# KiCad board corne-cherry.kicad_pcb (continued)
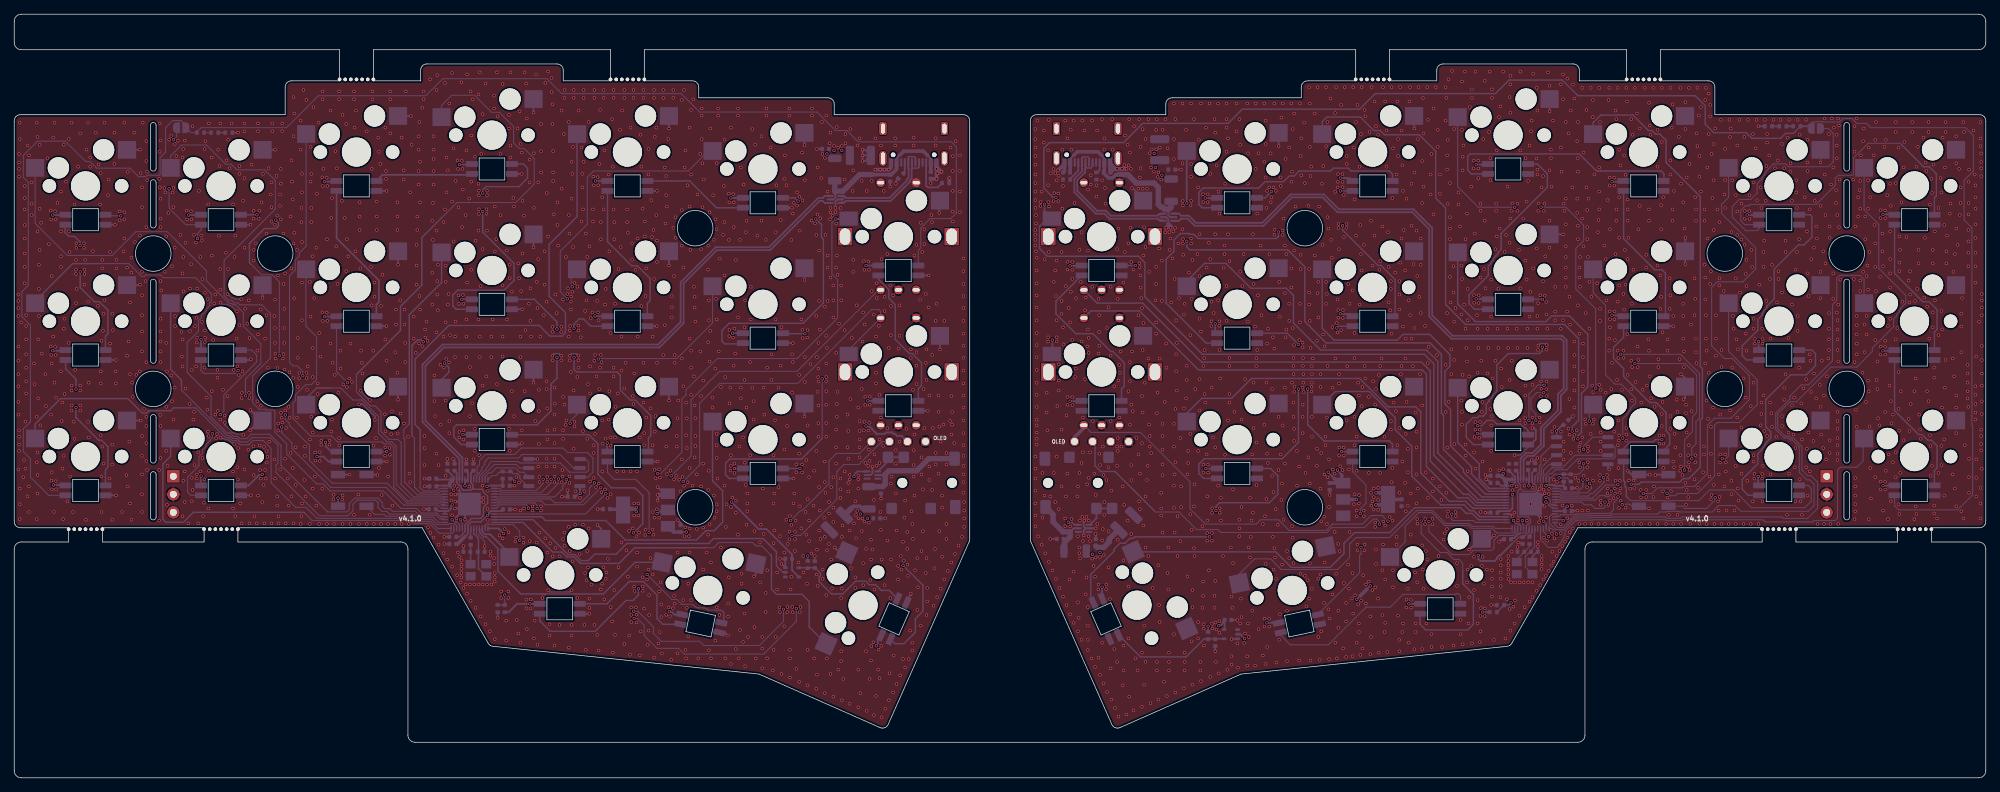
[diagram p0: board, top side]
## Nets
+1V1: C3.1 C4.1 C5.1 U1.23 U1.45 U1.50
+1V1R: rC3.1 rC4.1 rC5.1 rU1.23 rU1.45 rU1.50
+3V3: C7.1 C8.1 C9.1 C10.1 C11.1 C12.1 C13.1 C14.1 C15.1 C16.1 C501.1 R7.2 U1.1 U1.10 U1.22 U1.32 U1.33 U1.42 U1.43 U1.44 U1.48 U1.49 U2.2 U4.8 U501.5
+3V3R: C309.1 rC7.1 rC8.1 rC9.1 rC10.1 rC11.1 rC12.1 rC13.1 rC14.1 rC15.1 rC16.1 rR7.2 rU1.1 rU1.10 rU1.22 rU1.33 rU1.42 rU1.43 rU1.44 rU1.48 rU1.49 rU2.2 rU4.8 U304.5
+5V: C6.1 C201.1 C202.1 C204.1 C205.1 EXLED1.1 EXLED2.1 FB201.2 FB202.2 J3.3 LED1.1 LED2.1 LED3.1 LED4.1 LED5.1 LED6.1 LED7.1 LED8.1 LED9.1 LED10.1 LED11.1 LED12.1 LED13.1 LED14.1 LED15.1 LED16.1 LED17.1 LED18.1 LED19.1 LED20.1 LED21.1 R8.1 R503.2 U2.3
+5VR: C301.1 C302.1 C305.1 C306.1 FB301.2 FB302.2 R304.2 rC6.1 rEXLED1.1 rEXLED2.1 rJ3.3 rLED1.1 rLED2.1 rLED3.1 rLED4.1 rLED5.1 rLED6.1 rLED7.1 rLED8.1 rLED9.1 rLED10.1 rLED11.1 rLED12.1 rLED13.1 rLED14.1 rLED15.1 rLED16.1 rLED17.1 rLED18.1 rLED19.1 rLED20.1 rLED21.1 rR8.1 rU2.3
/left/VBUS_unfiltered: C203.1 C216.1 FB201.1 J201.A4 J201.B4 U202.5
GND: C1.2 C2.2 C3.2 C4.2 C5.2 C6.2 C7.2 C8.2 C9.2 C10.2 C11.2 C12.2 C13.2 C14.2 C15.2 C16.2 C201.2 C202.2 C203.2 C204.2 C205.2 C206.2 C216.2 C501.2 C505.2 EXLED1.3 EXLED2.3 EXSW1.C EXSW1.S1 EXSW2.C EXSW2.S1 J3.4 J4.2 J201.A1 J201.B1 J202.1 J202.3 J202.5 LED1.3 LED2.3 LED3.3 LED4.3 LED5.3 LED6.3 LED7.3 LED8.3 LED9.3 LED10.3 LED11.3 LED12.3 LED13.3 LED14.3 LED15.3 LED16.3 LED17.3 LED18.3 LED19.3 LED20.3 LED21.3 R1.1 R2.1 R9.2 R203.2 SMDSW1.1 SMDSW2.1 SW1.2 SW2.2 SW3.2 SW4.2 SW5.2 SW6.2 SW7.2 SW8.2 SW9.2 SW10.2 SW11.2 SW12.2 SW13.2 SW14.2 SW15.2 SW16.2 SW17.2 SW18.2 SW19.2 SW20.2 SW21.2 U1.19 U1.57 U2.1 U4.4 U201.2 U202.2 U501.3 Y1.2 Y1.4
GNDR: C301.2 C302.2 C303.2 C305.2 C306.2 C307.2 C308.2 C309.2 C310.2 J301.A1 J301.B1 J302.1 J302.3 J302.5 R303.2 rC1.2 rC2.2 rC3.2 rC4.2 rC5.2 rC6.2 rC7.2 rC8.2 rC9.2 rC10.2 rC11.2 rC12.2 rC13.2 rC14.2 rC15.2 rC16.2 rEXLED1.3 rEXLED2.3 rEXSW1.C rEXSW1.S1 rEXSW2.C rEXSW2.S1 rJ3.4 rJ4.2 rLED1.3 rLED2.3 rLED3.3 rLED4.3 rLED5.3 rLED6.3 rLED7.3 rLED8.3 rLED9.3 rLED10.3 rLED11.3 rLED12.3 rLED13.3 rLED14.3 rLED15.3 rLED16.3 rLED17.3 rLED18.3 rLED19.3 rLED20.3 rLED21.3 rR1.1 rR2.1 rR9.2 rSMDSW1.1 rSMDSW2.1 rSW1.2 rSW2.2 rSW3.2 rSW4.2 rSW5.2 rSW6.2 rSW7.2 rSW8.2 rSW9.2 rSW10.2 rSW11.2 rSW12.2 rSW13.2 rSW14.2 rSW15.2 rSW16.2 rSW17.2 rSW18.2 rSW19.2 rSW20.2 rSW21.2 rU1.19 rU1.32 rU1.57 rU2.1 rU4.4 rY1.2 rY1.4 U302.2 U303.2 U304.3
/left/AUX-5V: C206.1 FB202.1 J202.2 U201.5
/left/AUX-TX: J202.4 J202.6 U201.4
/left/D+: U1.47 U202.4
/left/D-: U1.46 U202.6
/left/D_esd_+: J201.A6 J201.B6 U202.3
/left/D_esd_-: J201.A7 J201.B7 U202.1
/left/KEY1: SW1.1 U1.14
/left/KEY2: SW2.1 U1.12
/left/KEY3: SW3.1 U1.4
/left/KEY4: SW4.1 U1.2
/left/KEY5: SW5.1 U1.41
/left/KEY6: SW6.1 U1.3
/left/KEY7: SW7.1 U1.5
/left/KEY8: SW8.1 U1.18
/left/KEY9: SW9.1 U1.17
/left/KEY10: SW10.1 U1.40
/left/KEY11: SW11.1 U1.39
/left/KEY12: SW12.1 U1.38
/left/KEY13: SW13.1 U1.35
/left/KEY14: SW14.1 U1.36
/left/KEY15: SW15.1 U1.37
/left/KEY16: SW16.1 U1.27
/left/KEY17: SW17.1 U1.29
/left/KEY18: SW18.1 U1.31
/left/KEY19: SW19.1 U1.34
/left/KEY20: SW20.1 U1.30
/left/KEY21: SW21.1 U1.28
/left/KEYEX1: EXSW1.S2 U1.6
/left/KEYEX2: EXSW2.S2 U1.11
/left/LED: U1.13 U501.2
/left/LED_lvl_up: C505.1 LED1.4 R503.1 U501.4
/left/QSPI_SCLK: U1.52 U4.6
/left/QSPI_SD0: U1.53 U4.5
/left/QSPI_SD1: U1.55 U4.2
/left/QSPI_SD2: U1.54 U4.3
/left/QSPI_SD3: U1.51 U4.7
/left/QSPI_SS: R6.1 R7.1 U1.56 U4.1
/left/RE0A: EXSW1.A U1.7
/left/RE1A: EXSW2.A J3.1 U1.8
/left/REB: EXSW1.B EXSW2.B J3.2 U1.9
/left/SWCLK: J4.1 U1.24
/left/SWD: J4.3 U1.25
/left/TX: U1.15 U201.3
/left/USB_VBUS_PIN: R8.2 R9.1 U1.16
/right/D+: rU1.47 U303.4
/right/D-: rU1.46 U303.6
/right/esd_D+: J301.A6 J301.B6 U303.3
/right/esd_D-: J301.A7 J301.B7 U303.1
/right/KEY1: rSW1.1 rU1.30
/right/KEY2: rSW2.1 rU1.34
/right/KEY3: rSW3.1 rU1.38
/right/KEY4: rSW4.1 rU1.39
/right/KEY5: rSW5.1 rU1.3
/right/KEY6: rSW6.1 rU1.40
/right/KEY7: rSW7.1 rU1.31
/right/KEY8: rSW8.1 rU1.28
/right/KEY9: rSW9.1 rU1.27
/right/KEY10: rSW10.1 rU1.41
/right/KEY11: rSW11.1 rU1.2
/right/KEY12: rSW12.1 rU1.4
/right/KEY13: rSW13.1 rU1.5
/right/KEY14: rSW14.1 rU1.6
/right/KEY15: rSW15.1 rU1.7
/right/KEY16: rSW16.1 rU1.29
/right/KEY17: rSW17.1 rU1.17
/right/KEY18: rSW18.1 rU1.12
/right/KEY19: rSW19.1 rU1.11
/right/KEY20: rSW20.1 rU1.14
/right/KEY21: rSW21.1 rU1.18
/right/KEYEX1: rEXSW1.S2 rU1.37
/right/KEYEX2: rEXSW2.S2 rU1.35
/right/LED: rU1.13 U304.2
/right/LED_LVL_UP: C310.1 R304.1 rLED1.4 U304.4
/right/QSPI_SCLK: rU1.52 rU4.6
/right/QSPI_SD0: rU1.53 rU4.5
/right/QSPI_SD1: rU1.55 rU4.2
/right/QSPI_SD2: rU1.54 rU4.3
/right/QSPI_SD3: rU1.51 rU4.7
/right/QSPI_SS: rR6.1 rR7.1 rU1.56 rU4.1
/right/rAUX-TX: J302.4 J302.6 U302.1
/right/rAUX-VBUS: C303.1 FB301.1 J302.2 U302.5
/right/RE0A: rEXSW1.A rU1.36
/right/RE1A: rEXSW2.A rJ3.1 rU1.8
/right/REB: rEXSW1.B rEXSW2.B rJ3.2 rU1.9
/right/rVBUS_ESD: C307.1 C308.1 FB302.1 J301.A4 J301.B4 U303.5
/right/SWCLK: rJ4.1 rU1.24
/right/SWD: rJ4.3 rU1.25
/right/TX: rU1.15 U302.6
/right/USB_VBUS_PIN: rR8.2 rR9.1 rU1.16
Net-(C2-Pad1): C2.1 R3.1 Y1.3
Net-(EXLED1-DIN): EXLED1.4 JP1.2 LED21.2 R201.1
Net-(EXLED1-DOUT): EXLED1.2 EXLED2.4
Net-(J201-CC1): J201.A5 R1.2
Net-(J201-CC2): J201.B5 R2.2
Net-(J301-CC1): J301.A5 rR2.2
Net-(J301-CC2): J301.B5 rR1.2
Net-(JP1-A): JP1.1 LED18.2 LED19.4
Net-(LED1-DOUT): LED1.2 LED2.4
Net-(LED2-DOUT): LED2.2 LED3.4
Net-(LED3-DOUT): LED3.2 LED4.4
Net-(LED4-DOUT): LED4.2 LED5.4
Net-(LED5-DOUT): LED5.2 LED6.4
Net-(LED6-DOUT): LED6.2 LED7.4
Net-(LED7-DOUT): LED7.2 LED8.4
Net-(LED8-DOUT): LED8.2 LED9.4
Net-(LED10-DIN): LED9.2 LED10.4
Net-(LED10-DOUT): LED10.2 LED11.4
Net-(LED11-DOUT): LED11.2 LED12.4
Net-(LED12-DOUT): LED12.2 LED13.4
Net-(LED13-DOUT): LED13.2 LED14.4
Net-(LED14-DOUT): LED14.2 LED15.4
Net-(LED15-DOUT): LED15.2 LED16.4
Net-(LED16-DOUT): LED16.2 LED17.4
Net-(LED17-DOUT): LED17.2 LED18.4
Net-(LED19-DOUT): LED19.2 LED20.4
Net-(LED20-DOUT): LED20.2 LED21.4
Net-(R6-Pad2): R6.2 SMDSW1.2
Net-(R201-Pad2): R201.2 R202.1
Net-(R202-Pad2): R202.2 R203.1
Net-(R301-Pad2): R301.2 R302.1
Net-(R302-Pad2): R302.2 R303.1
Net-(rC2-Pad1): rC2.1 rR3.1 rY1.3
Net-(rEXLED1-DIN): R301.1 rEXLED1.4 rJP1.2 rLED21.2
Net-(rEXLED1-DOUT): rEXLED1.2 rEXLED2.4
Net-(rJP1-A): rJP1.1 rLED18.2 rLED19.4
Net-(rLED1-DOUT): rLED1.2 rLED2.4
Net-(rLED2-DOUT): rLED2.2 rLED3.4
Net-(rLED3-DOUT): rLED3.2 rLED4.4
Net-(rLED4-DOUT): rLED4.2 rLED5.4
Net-(rLED5-DOUT): rLED5.2 rLED6.4
Net-(rLED6-DOUT): rLED6.2 rLED7.4
Net-(rLED7-DOUT): rLED7.2 rLED8.4
Net-(rLED8-DOUT): rLED8.2 rLED9.4
Net-(rLED10-DIN): rLED9.2 rLED10.4
Net-(rLED10-DOUT): rLED10.2 rLED11.4
Net-(rLED11-DOUT): rLED11.2 rLED12.4
Net-(rLED12-DOUT): rLED12.2 rLED13.4
Net-(rLED13-DOUT): rLED13.2 rLED14.4
Net-(rLED14-DOUT): rLED14.2 rLED15.4
Net-(rLED15-DOUT): rLED15.2 rLED16.4
Net-(rLED16-DOUT): rLED16.2 rLED17.4
Net-(rLED17-DOUT): rLED17.2 rLED18.4
Net-(rLED19-DOUT): rLED19.2 rLED20.4
Net-(rLED20-DOUT): rLED20.2 rLED21.4
Net-(rR6-Pad2): rR6.2 rSMDSW1.2
Net-(rU1-RUN): rSMDSW2.2 rU1.26
Net-(rU1-XIN): rC1.1 rU1.20 rY1.1
Net-(rU1-XOUT): rR3.2 rU1.21
Net-(U1-RUN): SMDSW2.2 U1.26
Net-(U1-XIN): C1.1 U1.20 Y1.1
Net-(U1-XOUT): R3.2 U1.21

Pads without a net: EXLED2 2; J201 A8 B8 S1 S2 S3 S4; J301 A8 B8 S1 S2 S3 S4; rEXLED2 2; U201 1 6; U302 3 4; U304 1; U501 1

## Via types
v1: diameter 0.45, hole 0.3, Front to Back, 5092 vias

## Routing (per net, layer and track width the routed paths; a pad name or vN(x,y) marks a point on that pad's centre or on a via; arc(x,y) is an arc through that point)
+1V1: length 18.8
  Back w0.203: 64.45,40.74 64.49,40.78 64.49,41.26 64.21,41.54 U1.50 ; 64.45,40.74 64.58,40.62 65.78,40.62 65.98,40.42 65.98,40.22 66.58,39.62 66.58,38.67 65.98,38.07 65.98,36.92 65.58,36.52 64.3,36.52 63.41,35.62 U1.23 63.41,34.66 62.66,33.92 C3.1 ; 64.45,40.74 64.19,40.48 63.11,40.48 62.9,40.69 62.9,40.88 62.87,40.91 62.87,41.02 62.74,41.16 62.59,41.16 62.21,41.54 U1.45
  Back w0.254: U1.45 62.21,42.95 C5.1 ; U1.50 64.21,42.87 C4.1
+1V1R: length 19.3
  Back w0.152: 211.78,40.72 211.42,40.36 211.42,36.74 212.86,36.74 213.22,36.38 213.22,35.96 213,35.74 212.86,35.74 212.62,35.5 rU1.23 212.62,34.66 212.42,34.46 211.78,34.46 ; 211.78,40.72 212.15,40.34 213.8,40.34 214.01,40.56 214.01,41.18 213.86,41.34 213.66,41.34 213.52,41.48 213.52,41.88 rU1.50 ; 211.78,40.72 211.78,41.22 211.52,41.48 211.52,41.81 211.48,41.85 211.48,41.92 rU1.45
  Back w0.254: rU1.50 213.42,42.92 rC4.1 ; 211.78,34.41 211.59,34.41 211.31,34.13 211.31,34.13 210.97,33.79 210.72,33.79 210.46,33.52 ; rU1.45 211.42,42.99 rC5.1
+3V3: length 139.6
  In1.Cu w0.254: 60.88,38.62 61.08,38.42 v1(61.6,38.42) ; 61.18,40.92 61.61,40.48 v1(61.8,40.48) ; 83.38,43.42 84.18,42.62 88.18,42.62 88.98,43.42 ; v1(87.47,37.47) 88.53,37.47 88.71,37.65 ; v1(79.61,40.04) 79.7,40.04 80.25,39.49 ; v1(63.38,41.12) 63.38,41.62 ; 99.88,39.92 99.88,39.79 100.85,38.82 v1(100.88,38.82) ; v1(66.58,36.92) 66.78,36.92 67.08,37.22 ; 66.83,41.37 v1(66.48,41.02) ; v1(87.49,38.06) 88.71,38.06 88.98,38.33 90.59,38.33 90.89,38.02 90.89,37.58 90.49,37.18 v1(90.4,37.18)
  In1.Cu w0.508: 67.03,41.57 67.38,41.22 67.38,39.22 ; 67.03,41.57 66.68,41.92 63.38,41.92 ; 67.03,41.57 66.83,41.37 ; 83.38,43.42 82.98,43.82 80.58,43.82 79.88,43.12 79.88,41.77 81.08,40.57 81.08,39.42 ; 67.08,37.22 67.38,37.52 67.38,39.22 ; 88.71,38.52 89.89,38.52 90.02,38.38 ; 88.71,38.52 88.71,38.06 ; 88.71,38.52 88.71,39.08 88.48,39.32 86.58,39.32 85.18,37.92 83.38,37.92 81.88,39.42 81.08,39.42 ; 67.38,39.22 75.58,39.22 76.48,38.32 79.98,38.32 80.73,39.07 ; 80.25,39.49 80.43,39.49 80.73,39.19 80.73,39.07 ; 81.08,39.42 80.73,39.07 ; 100.11,39.55 93.95,45.72 90.08,45.72 89.28,44.92 89.28,43.72 88.98,43.42 ; 60.78,41.32 60.38,40.92 60.38,39.12 60.88,38.62 ; 60.78,41.32 61.38,41.92 63.38,41.92 ; 60.78,41.32 61.18,40.92 ; 63.38,41.92 63.38,41.62
  In1.Cu w0.762: 87.78,37.72 88.36,37.72 88.71,38.06
  Back w0.152: U1.44 U1.43 ; U1.48 U1.49
  Back w0.203: 59.39,42.15 C13.1 ; v1(66.58,36.92) 66.51,36.92 65.61,36.02 64.28,36.02 63.81,35.55 U1.22
  Back w0.254: C15.1 63.81,43.01 U1.49 63.38,41.55 v1(63.38,41.12) 63.41,41.15 U1.48 ; v1(66.58,36.92) 66.75,37.09 66.75,37.32 66.97,37.54 U1.10 68.49,37.54 C9.1 ; C13.1 59.5,41.98 U1.43 ; v1(61.8,40.48) 61.71,40.57 61.67,40.57 61.36,40.88 61.36,40.92 61.14,41.14 U1.42 59.48,41.14 C12.1 ; U4.8 79.55,40.1 v1(79.61,40.04) 79.61,41 U4.8 ; U4.8 79.55,40.19 78.94,39.58 C16.1 ; v1(61.6,38.42) 61.45,38.27 61.45,37.95 61.04,37.54 59.65,37.54 59.38,37.82 C10.1 ; 63.36,33.93 63.81,34.38 U1.22 ; U1.44 61.81,42.35 C8.1 ; U1.33 U1.32 ; v1(90.4,37.18) 90.49,37.27 90.59,37.27 90.89,37.58 91.8,37.58 U2.2 ; R7.2 68.68,41.14 C14.1 68.67,41.14 U1.1 66.6,41.14 v1(66.48,41.02) ; v1(100.88,38.82) 104.68,35.02 105.78,35.02 109.38,31.42 C501.1 109.38,29.22 U501.5 ; v1(87.49,38.06) 87.47,38.05 v1(87.47,37.47) 87.24,37.7 U2.2
  Back w0.508: 63.36,33.93 62.34,32.92 C7.1 ; 61.58,41.98 61.58,41.82 61.23,41.47 61.23,41.13 ; 87.28,37.92 86.03,37.92 86.03,38.12 U2.2 85.52,37.8 83.76,37.8
+3V3R: length 154.9
  In1.Cu w0.254: v1(216.88,48.82) 216.88,48.12 ; 191.13,27.47 v1(190.68,27.02) ; 209.68,42.42 209.38,42.72 v1(209.38,42.82) ; 210.18,40.02 210.44,40.02 210.48,39.98 210.57,39.98 v1(210.67,39.88) ; 210.68,41.62 210.68,41.22 v1(210.58,41.12) ; v1(191.48,40.12) 191.98,40.12 ; v1(188.78,25.12) 188.18,24.52 ; v1(215.38,41.12) 215.58,41.32 215.58,41.82 ; v1(169.38,21.42) 170.98,21.42 ; v1(212.98,41.12) 212.98,41.62 ; 188.01,39.18 187.98,39.22 ; v1(218.38,38.22) 218.38,38.62 218.08,38.92 218.08,39.12 ; 205.88,31.92 205.86,31.9 v1(205.86,31.3) ; v1(188.74,39.18) 188.18,39.18 ; v1(191.48,38.42) 192.08,38.42
  In1.Cu w0.508: 218.08,39.12 218.08,39.42 215.68,41.82 215.58,41.82 ; 191.98,40.12 192.78,40.12 ; 203.68,37.12 203.68,36.92 202.88,36.12 200.98,36.12 200.38,35.52 ; 191.28,27.92 191.13,27.77 191.13,27.47 ; 205.86,31.9 205.86,32.8 205.88,32.82 ; 210.68,42.02 210.68,41.62 ; 188.18,24.52 185.48,21.82 185.48,20.82 183.78,19.12 182.08,19.12 181.88,18.92 180.08,18.92 179.88,18.72 177.18,18.72 176.08,19.82 175.08,19.82 173.92,20.97 171.42,20.97 170.98,21.42 169.98,21.42 ; 188.18,39.18 187.91,39.18 187.58,39.52 ; 216.88,47.22 216.88,48.12 ; 212.98,42.02 212.98,41.62 ; 210.08,42.02 209.68,42.42 ; 209.88,40.02 210.18,40.02 ; 192.08,38.42 192.18,38.42 192.38,38.62
  In1.Cu w0.762: 216.88,47.22 216.88,45.12 214.58,42.82 214.58,42.02 ; 191.28,27.92 191.28,28.52 190.48,29.32 189.58,29.32 187.38,31.52 187.38,32.92 186.68,33.62 186.68,38.62 187.58,39.52 187.58,41.02 188.18,41.62 192.58,41.62 192.78,41.42 192.78,39.02 ; 214.58,42.02 210.08,42.02 209.28,41.22 209.28,40.92 208.98,40.62 ; 214.58,42.02 215.38,42.02 215.58,41.82 ; 208.98,40.62 206.98,38.62 205.18,38.62 203.68,37.12 203.98,37.12 205.86,35.23 205.86,32.42 ; 208.98,40.62 209.58,40.02 209.88,40.02 ; 192.38,38.62 192.78,39.02 ; 192.78,39.02 196.88,34.91 199.77,34.91 200.38,35.52
  Back w0.152: 212.81,34.42 212.77,34.42 212.48,34.12 212.48,34.12 ; 210.58,32.92 210.6,32.92 211.55,33.87 rC7.1
  Back w0.203: 212.48,34.12 212.23,33.87 rC7.1 ; 212.81,34.42 213.02,34.63 rU1.22
  Back w0.254: rU1.10 218.04,37.54 rC9.1 218.04,37.88 v1(218.38,38.22) ; v1(212.98,41.12) 212.98,41.93 rU1.49 ; v1(205.86,31.3) 205.86,30.83 206.18,30.52 208.18,30.52 208.5,30.85 208.5,31 208.81,31.31 208.96,31.31 210.58,32.92 ; v1(169.38,21.42) 169.4,21.42 169.48,21.51 169.7,21.51 170.01,21.82 170.01,22.03 C309.1 170.2,20.94 U304.5 ; 209.23,42.37 209.23,42.67 v1(209.38,42.82) ; rU1.44 211.02,42.39 rC8.1 ; rU1.44 rU1.43 ; rU1.44 211.02,41.56 v1(210.58,41.12) 209.8,41.12 rU1.42 209.76,41.12 209.08,41.12 208.68,41.52 rC12.1 ; rU4.8 216.89,48.81 v1(216.88,48.82) 216.96,48.82 216.96,48.94 217.71,49.68 rC16.1 ; v1(215.38,41.12) 215.5,41.24 216.56,41.24 rU1.1 216.7,41.1 217.74,41.1 rC14.1 217.88,40.97 rR7.2 ; v1(190.68,27.02) 190.23,26.57 ; rC10.1 208.78,37.54 rU1.33 210.25,37.54 210.67,37.96 v1(210.67,39.88) ; rU1.48 rU1.49 ; rU1.49 213.02,43.19 rC15.1 ; 189.28,25.62 v1(188.78,25.12)
  Back w0.508: v1(191.48,38.42) 192.41,38.42 rU2.2 ; 209.78,41.22 209.78,41.23 209.78,41.62 209.62,41.78 209.62,41.98 ; v1(191.48,40.12) 192.24,40.12 rU2.2 ; rU2.2 195.06,39.18 rC11.1 ; 189.28,25.62 190.23,26.57 ; v1(188.74,39.18) rU2.2 ; 209.62,41.98 209.08,42.52 rC13.1 ; 209.62,41.98 rU1.43
+5V: length 766.2
  In1.Cu w0.254: 17.78,57.92 17.88,57.82 21.38,57.82 21.48,57.92 ; 119.08,53.12 119.13,53.07 v1(120.02,53.07) ; v1(111.58,31.22) 111.58,31.02 111.98,30.62 ; v1(63.09,48.3) 63.59,48.3 63.98,47.92 ; v1(119.78,72.12) 119.08,72.12 ; 42.78,64.82 42.88,64.92 v1(43.63,64.92) ; v1(62.94,67.35) 61.98,67.35 ; v1(94.49,34.6) 94.48,34.62 93.88,34.62 ; 18.28,70.62 18.38,70.72 20.68,70.72 20.78,70.62 ; v1(43.63,83.92) 42.98,83.92 42.88,83.82 ; v1(92.11,23.38) 92.03,23.47 91.43,23.47 91.28,23.62 ; v1(5.43,79.22) 4.38,79.22 ; v1(119.98,36.52) 119.98,37.02 ; v1(83.38,47.12) 83.58,47.32 88.38,47.32 88.48,47.42 89.38,47.42 89.78,47.82 ; 119.43,37.27 119.28,37.12 v1(118.98,37.12) ; 81.6,64.07 81.65,64.12 81.65,64.99 v1(81.68,65.02) ; 101.78,62.32 101.5,62.59 v1(101,62.59) ; v1(24.53,79.22) 25.07,79.22 26.78,77.52 26.78,76.52 27.23,76.07 ; 100.98,41.32 102.28,40.02 ; v1(43.78,47.22) 43.78,46.32 44.08,46.02 ; v1(5.43,60.12) 4.68,60.12 ; 73.68,24.12 73.3,24.49 v1(72.51,24.49) ; v1(81.73,84.02) 80.98,84.02 ; v1(116.38,88.32) 116.38,87.72 115.78,87.12 115.28,87.62 v1(115.28,88.32) ; v1(62.63,86.32) 61.78,86.32 ; v1(5.53,41.22) 4.78,41.22 ; v1(121.21,18.58) 121.06,18.43 121.06,18.3 120.78,18.02 120.78,17.72 ; v1(26.28,42.47) 26.43,42.62 30.52,42.62 30.55,42.59 31,42.59 31.06,42.52 32.08,42.52 ; 119.18,49.52 v1(119.78,49.52) ; 101.98,43.12 101.55,43.54 v1(101.28,43.54) ; v1(26.28,61.67) 26.28,60.92 ; v1(100.78,81.62) 99.88,81.62
  In1.Cu w0.508: 92.98,33.22 90.68,30.92 90.68,28.42 89.98,27.72 89.98,23.62 ; 97.38,47.42 91.58,47.42 91.18,47.82 89.78,47.82 ; 20.78,70.62 20.88,70.62 21.48,70.02 ; 61.98,67.35 58.01,67.35 57.98,67.32 ; 102.28,39.32 110.38,39.32 112.48,37.22 112.48,33.52 113.58,32.42 113.58,30.62 112.78,29.82 ; 3.68,79.22 4.38,79.22 ; 112.18,20.52 102.88,20.52 100.98,18.62 96.48,18.62 95.88,19.22 93.58,19.22 92.98,19.82 89.98,19.82 ; 112.18,20.52 112.18,29.22 112.78,29.82 ; 112.18,20.52 112.48,20.52 115.88,17.12 120.18,17.12 120.78,17.72 ; 17.78,70.32 17.98,70.52 18.18,70.52 18.28,70.62 ; 89.98,23.62 90.08,23.72 91.18,23.72 91.28,23.62 ; 89.98,23.62 89.98,19.82 ; 4.48,58.85 4.55,58.92 4.55,59.99 4.68,60.12 ; 118.08,49.52 119.18,49.52 ; 93.48,34.62 93.88,34.62 ; 42.78,64.82 42.58,64.82 40.73,62.97 ; 81.58,63.75 81.58,64.07 81.6,64.07 ; 73.38,24.42 73.88,23.92 73.88,21.72 74.78,20.82 86.78,20.82 87.78,19.82 89.98,19.82 ; 101.78,62.32 101.78,61.42 101.53,61.17 ; 17.78,57.92 16.18,57.92 ; 63.98,47.52 63.98,47.92 63.78,48.12 ; 118.08,72.12 119.08,72.12 ; 22.78,58.62 24.38,58.62 26.28,60.52 26.28,60.92 ; 101.98,43.12 102.08,43.02 102.08,42.42 100.98,41.32 ; 61.78,86.32 61.28,86.32 ; 4.28,41.22 4.78,41.22 ; 22.28,57.92 21.48,57.92 ; 119.08,53.12 118.48,53.12 117.43,52.07 ; 112.78,29.82 111.98,30.62 ; 27.78,75.52 27.23,76.07 ; 42.58,83.52 42.88,83.82 ; 80.18,84.02 80.98,84.02 ; 119.43,37.27 119.73,37.27 119.98,37.02 119.98,37.82 119.43,37.27
  In1.Cu w0.762: 99.93,57.77 97.38,55.22 97.38,44.92 102.28,40.02 102.28,36.02 100.73,34.47 99.43,34.47 98.18,33.22 92.98,33.22 92.98,34.12 93.48,34.62 ; 99.93,57.77 100.78,56.92 108.78,56.92 112.28,53.42 116.08,53.42 118.08,51.42 118.08,44.72 119.98,42.82 119.98,37.82 ; 99.93,57.77 99.03,58.67 ; 118.08,72.12 117.08,72.12 116.58,72.62 113.58,72.62 108.58,77.62 ; 79.38,79.22 75.58,75.42 75.58,69.12 74.38,67.92 71.88,67.92 70.38,66.42 70.38,63.72 69.78,63.12 60.38,63.12 57.98,65.52 ; 79.38,79.22 88.98,79.22 ; 79.38,79.22 76.98,81.62 ; 43.48,80.12 43.48,77.22 41.08,74.82 41.08,71.52 37.38,67.82 ; 43.48,80.12 57.98,80.12 ; 43.48,80.12 41.68,81.92 41.68,82.62 42.58,83.52 ; 76.98,81.62 74.88,83.72 74.88,96.12 72.48,98.52 64.68,98.52 63.08,96.92 61.68,96.92 57.98,93.22 57.98,86.32 ; 76.98,81.62 79.38,84.02 80.18,84.02 ; 57.98,65.52 52.58,60.12 ; 57.98,65.52 57.98,80.12 ; 52.58,60.12 51.68,59.22 44.48,59.22 39.18,64.52 39.18,66.02 37.38,67.82 ; 52.58,60.12 52.58,59.72 56.18,56.12 56.18,44.82 ; 63.98,47.52 63.98,46.92 63.58,46.52 58.98,46.52 57.28,44.82 56.18,44.82 ; 43.78,46.32 44.58,45.52 44.58,41.62 ; 88.98,79.22 88.98,79.32 90.88,81.22 99.48,81.22 ; 88.98,79.22 91.78,76.42 91.78,75.42 97.08,70.12 97.08,69.82 96.78,69.52 ; 56.18,44.82 52.98,41.62 44.58,41.62 ; 5.18,56.42 14.68,56.42 17.06,58.8 17.06,67.24 16.88,67.42 16.88,69.72 17.47,70.32 17.78,70.32 ; 5.18,56.42 2.38,53.62 2.38,42.02 3.18,41.22 4.28,41.22 ; 5.18,56.42 5.18,57.22 4.48,57.92 ; 108.58,77.62 102.48,77.62 ; 108.58,77.62 108.58,78.72 108.57,78.72 108.57,82.21 109.68,83.32 113.88,83.32 115.78,85.22 115.78,87.12 ; 102.48,77.62 101.28,76.42 101.28,74.02 96.78,69.52 ; 102.48,77.62 99.48,80.62 99.48,81.22 ; 96.78,60.92 89.48,60.92 88.88,60.32 83.88,60.32 81.58,62.62 81.58,63.75 ; 96.78,60.92 96.78,69.52 ; 96.78,60.92 99.03,58.67 ; 57.98,80.12 57.98,86.32 ; 4.48,57.92 4.48,58.85 ; 4.48,57.92 2.48,59.92 2.48,78.02 3.68,79.22 ; 44.58,41.62 41.68,41.62 40.48,40.42 34.68,40.42 32.58,42.52 32.08,42.52 ; 28.68,72.42 26.48,72.42 22.98,68.92 ; 28.68,72.42 28.68,74.62 27.78,75.52 ; 28.68,72.42 32.78,72.42 37.38,67.82 ; 21.48,70.02 22.58,68.92 22.98,68.92 ; 99.03,58.67 101.53,61.17 ; 22.98,68.92 21.83,67.77 21.83,62.76 22.78,61.82 22.78,58.32 22.38,57.92 22.28,57.92 ; 99.48,81.22 99.88,81.62 ; 57.98,86.32 61.28,86.32
  Back w0.203: v1(26.28,42.47) 26.18,42.37 26.18,42.34 26.18,42.33 26.18,41.91 26.23,41.87 26.23,41.21 LED16.1 ; R503.2 v1(111.58,31.22)
  Back w0.254: LED17.1 v1(26.28,61.67) ; 100.78,81.62 100.8,81.64 100.86,81.64 100.88,81.63 101.32,81.63 101.33,81.64 102.5,81.64 102.53,81.62 ; 45.38,64.92 v1(43.63,64.92) ; v1(94.49,34.6) C6.1 ; J3.3 124.81,48.12 124.18,48.12 123.88,48.42 123.68,48.42 123.48,48.62 122.58,48.62 122.38,48.42 121.28,48.42 120.63,49.07 120.63,49.11 120.32,49.42 119.87,49.42 v1(119.78,49.52) ; LED1.1 121.41,19.57 121.41,18.78 v1(121.21,18.58) ; LED8.1 92.81,22.98 92.41,23.38 v1(92.11,23.38) ; 7.18,60.12 v1(5.43,60.12) ; v1(43.78,47.22) 43.78,47.13 43.78,47.12 43.78,46.69 44.55,45.92 LED15.1 ; v1(62.94,67.35) 64.38,67.35 ; LED7.1 83.35,46 83.35,47.09 v1(83.38,47.12) ; v1(72.51,24.49) 72.88,24.49 ; 72.88,24.49 70.7,24.49 69.52,23.31 R8.1 ; 72.88,24.49 LED9.1 ; v1(81.68,65.02) 81.72,64.97 LED6.1 ; 7.28,41.22 v1(5.53,41.22) ; 7.18,79.22 v1(5.43,79.22) ; v1(101,62.59) LED3.1 ; v1(119.78,72.12) 119.78,72.12 EXLED1.1 ; 83.48,84.02 v1(81.73,84.02) ; 45.38,83.92 v1(43.63,83.92) ; 64.38,86.32 v1(62.63,86.32) ; 26.28,79.22 v1(24.53,79.22) ; v1(120.02,53.07) EXLED2.1 ; v1(101.28,43.54) LED2.1 ; LED10.1 v1(63.09,48.3)
  Back w0.508: C6.1 92.72,34.6 U2.3 ; FB202.2 119.26,37.84 118.89,38.22 117.97,38.22 117.73,37.97
  Back w0.762: C204.1 117.73,37.97
  vias: v1(114.28,87.82)
+5VR: length 778.2
  In1.Cu w0.254: v1(176.15,21.82) 176.14,21.83 175.45,21.83 175.37,21.91 ; 256.28,57.82 259.18,57.82 ; 204.68,86.32 204.69,86.33 205.56,86.33 v1(205.58,86.32) ; v1(186.48,65.32) 186.52,65.27 187.32,65.27 187.38,65.22 ; 185.75,84.46 186.44,84.46 v1(186.48,84.42) ; v1(184.78,43.02) 184.78,43.29 184.68,43.39 184.68,43.92 185.79,43.92 185.8,43.93 185.8,43.75 186.08,43.48 v1(186.08,43.32) ; 261.98,79.33 262.76,79.33 v1(262.78,79.32) ; v1(167.55,43.52) 167.54,43.53 166.79,43.53 166.78,43.52 ; 232.78,47.62 v1(231.68,47.62) ; 155.78,48.62 155.18,48.62 154.17,47.61 rJ3.3 ; v1(262.78,41.12) 262.76,41.13 261.79,41.13 261.78,41.12 ; v1(245.28,61.42) 245.28,60.62 244.98,60.32 ; 152.98,27.72 152.99,27.71 152.99,26.85 v1(152.98,26.84) ; v1(160.3,87.89) 160.68,87.51 160.68,86.12 v1(160.48,85.92) 160.92,85.92 161.41,85.43 161.41,84.86 v1(161.38,84.82) ; 151.78,60.02 151.78,59.72 150.98,58.92 150.98,58.82 150.68,58.52 150.68,58.32 149.88,57.52 149.88,57.02 ; v1(206.48,23.32) 205.68,23.32 205.48,23.52 ; v1(224.68,83.92) 224.66,83.93 223.69,83.93 223.68,83.92 ; v1(148.48,53.02) 149.02,53.02 149.55,53.55 ; 242.88,79.22 242.89,79.23 243.66,79.23 v1(243.68,79.22) ; 256.08,76.82 259.08,76.82 ; v1(152.68,31.72) 151.87,31.72 v1(151.62,31.46) ; 147.75,72.1 147.91,72.1 147.92,72.11 148.43,72.11 v1(148.48,72.06) ; v1(262.78,60.12) 262.76,60.13 261.59,60.13 261.28,59.82 ; 185.68,45.92 185.69,45.93 186.64,45.93 v1(186.65,45.92) ; 150.48,73.62 155.48,73.62 ; v1(168.88,63.92) 168.88,63.22 ; v1(205.58,67.42) 204.88,67.42 ; v1(245.22,42.42) 245.22,41.56 245.08,41.42 ; v1(224.68,65.12) 224.01,65.12 223.99,65.09 ; v1(167.88,21.32) 167.88,22.12 ; 202.88,25.92 198.08,25.92 ; v1(196.1,24.49) 196.07,24.52 195.37,24.52 ; v1(205.75,48.45) 206.41,48.45 206.78,48.82 206.78,50.32 206.48,50.62 204.68,50.62 ; 166.8,81.6 167.46,81.6 v1(167.48,81.62)
  In1.Cu w0.508: 155.48,73.62 155.58,73.62 156.38,72.82 156.38,71.42 ; 157.18,48.92 157.08,48.82 156.28,48.82 156.08,48.62 155.78,48.62 ; 184.38,43.89 184.38,43.82 184.68,43.52 ; 184.38,43.89 184.53,44.04 185.69,44.04 185.8,43.93 ; 184.38,43.89 184.85,43.89 184.88,43.92 ; 194.18,24.42 194.18,24.82 195.28,25.92 198.08,25.92 ; 261.08,41.32 261.28,41.12 261.78,41.12 ; 222.98,83.82 223.08,83.92 223.68,83.92 ; 195.37,24.52 195.26,24.42 194.48,24.42 ; 149.55,53.55 149.88,53.87 149.88,57.02 ; 167.88,22.12 167.98,22.22 167.98,23.52 ; 147.48,72.37 147.48,73.03 148.08,73.62 150.48,73.62 ; 147.48,72.37 147.75,72.1 ; 147.48,72.37 147.08,71.96 147.08,70.82 ; 151.78,60.02 151.88,60.12 151.88,65.92 151.58,66.22 ; 178.98,34.52 182.98,34.52 ; 245.08,41.42 244.68,41.02 243.38,41.02 241.38,43.02 241.38,44.62 241.28,44.72 241.28,46.02 240.78,46.52 ; 187.48,63.62 187.48,65.12 187.32,65.27 ; 202.88,25.92 203.08,25.92 205.68,23.32 ; 223.99,65.09 223.96,65.12 223.48,65.12 ; 185.75,84.46 185.69,84.52 185.48,84.52 ; 255.28,76.82 256.08,76.82 ; 166.27,81.54 166.74,81.54 166.8,81.6 ; 204.38,67.52 204.78,67.52 204.88,67.42 ; 244.98,60.32 244.58,59.92 ; 185.68,45.92 185.66,45.93 184.99,45.93 183.66,44.61 ; 174.88,21.92 175.37,21.92 175.37,21.91 ; 261.28,59.82 261.18,59.72 261.18,59.22 ; 166.38,43.52 166.78,43.52 ; 232.68,47.62 233.98,47.62 ; 204.69,86.33 204.18,86.33 ; 254.58,57.82 256.28,57.82 ; 261.98,79.33 261.59,79.33 260.68,78.42 260.68,78.32 ; 168.88,63.22 168.88,62.82 168.68,62.62 ; 152.98,28.12 152.98,27.72 ; 259.08,76.82 259.78,76.82 ; 259.18,57.82 260.08,57.82 ; 242.88,79.22 242.53,78.87 ; 203.88,50.62 204.68,50.62
  In1.Cu w0.762: 152.68,32.32 152.68,31.97 152.58,31.88 ; 152.68,32.32 153.68,32.32 154.53,31.47 ; 152.68,32.32 152.25,32.32 151.55,31.62 ; 165.68,57.02 165.68,61.32 ; 165.68,57.02 165.68,55.52 162.28,52.12 162.28,48.92 ; 165.68,57.02 176.18,57.02 177.78,55.42 177.78,53.72 179.88,51.62 183.28,51.62 ; 165.68,61.32 167.38,61.32 168.68,62.62 ; 165.68,61.32 165.08,61.32 159.68,66.72 159.68,69.82 ; 167.98,28.02 164.48,31.52 164.48,31.62 162.78,33.32 162.28,33.32 ; 167.98,28.02 167.98,24.72 ; 167.98,28.02 173.08,33.12 173.08,34.72 ; 202.38,86.42 204.09,86.42 204.18,86.33 ; 202.38,86.42 202.38,84.42 203.13,83.67 ; 202.38,86.42 202.38,90.22 196.58,96.02 186.68,96.02 182.08,91.42 180.88,91.42 ; 180.88,91.42 178.58,93.72 168.48,93.72 162.08,87.32 162.08,85.42 ; 180.88,91.42 183.18,89.12 183.18,84.92 183.58,84.52 185.48,84.52 ; 162.28,33.32 162.28,43.52 ; 162.28,33.32 156.38,33.32 154.53,31.47 ; 243.08,58.42 245.68,55.82 250.48,55.82 252.48,57.82 254.58,57.82 ; 243.08,58.42 240.18,61.32 240.18,61.42 ; 243.08,58.42 244.58,59.92 ; 187.88,59.72 187.48,60.12 187.48,63.62 ; 187.88,59.72 184.48,56.32 184.48,54.62 183.28,53.42 183.28,51.62 ; 187.88,59.72 188.08,59.92 195.98,59.92 196.03,59.87 ; 200.48,78.52 200.48,81.02 203.13,83.67 ; 200.48,78.52 192.08,78.52 188.78,75.22 185.88,75.22 183.28,72.62 178.78,72.62 175.68,75.72 169.68,75.72 ; 200.48,78.52 200.48,69.42 ; 169.68,75.72 169.68,77.42 166.4,80.69 166.4,81.09 166.27,81.22 166.27,81.54 162.39,85.42 162.08,85.42 ; 169.68,75.72 166.08,72.12 161.98,72.12 159.68,69.82 ; 200.48,69.42 200.48,64.32 196.03,59.87 ; 200.48,69.42 202.48,69.42 203.78,68.12 203.78,68.02 204.28,67.52 204.38,67.52 ; 264.98,55.32 270.38,55.32 274.68,59.62 274.68,70.62 271.98,73.32 264.78,73.32 260.68,77.42 ; 264.98,55.32 259.98,50.32 259.98,42.42 261.08,41.32 ; 264.98,55.32 262.48,57.82 261.18,57.82 ; 240.18,61.42 239.68,60.92 235.68,60.92 ; 240.18,61.42 240.18,67.02 243.18,70.02 243.78,70.02 245.18,71.42 245.18,74.82 ; 160.68,86.82 162.08,85.42 ; 159.68,69.82 157.48,69.82 156.38,70.92 156.38,71.42 ; 218.98,82.32 204.48,82.32 203.13,83.67 ; 218.98,82.32 221.78,82.32 ; 218.98,82.32 218.98,68.62 221.88,65.72 221.88,65.12 ; 162.28,43.52 166.38,43.52 ; 162.28,43.52 162.28,48.92 ; 237.38,48.22 239.08,46.52 240.78,46.52 ; 237.38,48.22 236.78,47.62 233.98,47.62 ; 237.38,48.22 237.38,51.52 235.68,53.22 235.68,60.92 ; 260.68,77.42 260.68,78.32 ; 260.68,77.42 260.08,76.82 259.78,76.82 ; 245.18,74.82 251.18,74.82 253.18,76.82 255.28,76.82 ; 245.18,74.82 245.18,75.42 241.93,78.67 ; 184.68,43.89 184.38,43.89 182.25,46.02 181.68,46.02 ; 167.98,24.72 171.68,24.72 174.48,21.92 174.88,21.92 ; 167.98,24.72 167.98,23.52 ; 181.68,46.02 173.08,37.42 173.08,34.72 ; 181.68,46.02 183.28,47.62 183.28,51.62 ; 162.28,48.92 157.18,48.92 ; 221.78,82.32 221.78,82.62 222.98,83.82 ; 221.78,82.32 224.88,79.22 241.38,79.22 241.93,78.67 ; 152.98,28.12 152.98,29.92 154.53,31.47 ; 235.68,60.92 229.38,60.92 228.68,61.62 226.28,61.62 225.28,62.62 223.48,62.62 221.88,64.22 221.88,65.12 ; 173.08,34.72 177.48,34.72 177.68,34.52 178.98,34.52 ; 151.58,66.22 151.08,66.72 148.88,66.72 147.08,68.52 147.08,70.82 ; 241.93,78.67 242.33,78.67 242.53,78.87 ; 196.03,59.87 202.48,53.42 202.48,51.32 203.18,50.62 203.88,50.62 ; 260.08,57.82 261.18,57.82 ; 261.18,57.82 261.18,59.22 ; 182.98,34.52 185.08,32.42 185.08,30.72 191.38,24.42 194.48,24.42 ; 221.88,65.12 223.48,65.12
  Back w0.203: rLED15.1 226.3,46.34 227.28,47.32 230.48,47.32 230.78,47.62 v1(231.68,47.62)
  Back w0.254: v1(176.15,21.82) 177.78,21.82 ; 185.6,42.14 184.78,42.97 v1(184.78,43.02) ; rLED17.1 245.28,60.29 v1(245.28,61.42) ; rR8.1 v1(206.48,23.32) ; v1(186.48,65.32) 186.52,65.27 187.9,65.27 rLED6.1 ; rLED4.1 169.11,81.61 167.49,81.61 v1(167.48,81.62) ; v1(148.48,72.06) 150.05,72.06 rEXLED1.1 ; v1(186.08,43.32) 186.08,43.22 186.68,42.62 ; rLED19.1 264.34,79.32 v1(262.78,79.32) ; v1(168.88,63.92) 168.88,62.87 rLED3.1 ; v1(243.68,79.22) 245.31,79.22 rLED18.1 ; v1(148.48,53.02) 150.05,53.02 rEXLED2.1 ; v1(262.78,41.12) 264.36,41.12 rLED21.1 ; v1(224.68,83.92) 226.2,83.92 rLED13.1 ; v1(262.78,60.12) 264.31,60.12 rLED20.1 ; v1(152.98,26.84) 152.98,25.22 ; v1(205.58,86.32) 207.16,86.32 rLED12.1 ; v1(196.1,24.49) rLED9.1 ; 207.04,48.52 rLED10.1 207.1,48.45 v1(205.75,48.45) ; v1(167.55,43.52) 169.18,43.52 ; v1(224.68,65.12) 224.69,65.11 226.17,65.11 rLED14.1 ; v1(245.22,42.42) 245.22,41.29 rLED16.1 ; R304.2 v1(167.88,21.32) ; v1(186.65,45.92) 188.28,45.92 ; v1(205.58,67.42) 205.59,67.41 207.2,67.41 207.25,67.35 ; rLED5.1 187.81,84.42 v1(186.48,84.42)
  Back w0.508: 185.6,42.14 186.26,41.48 rU2.3 ; rU2.3 186.68,41.68 186.68,42.62 ; rU2.3 186.86,41.5 rC6.1
  Back w0.762: C302.1 152.3,32.42 153.18,32.42 153.98,33.22 153.98,33.62 155.23,34.88 C301.1
